# Altium PCB Allwinner_A13_BRD.PcbDoc (part 2 of 5) (continued)
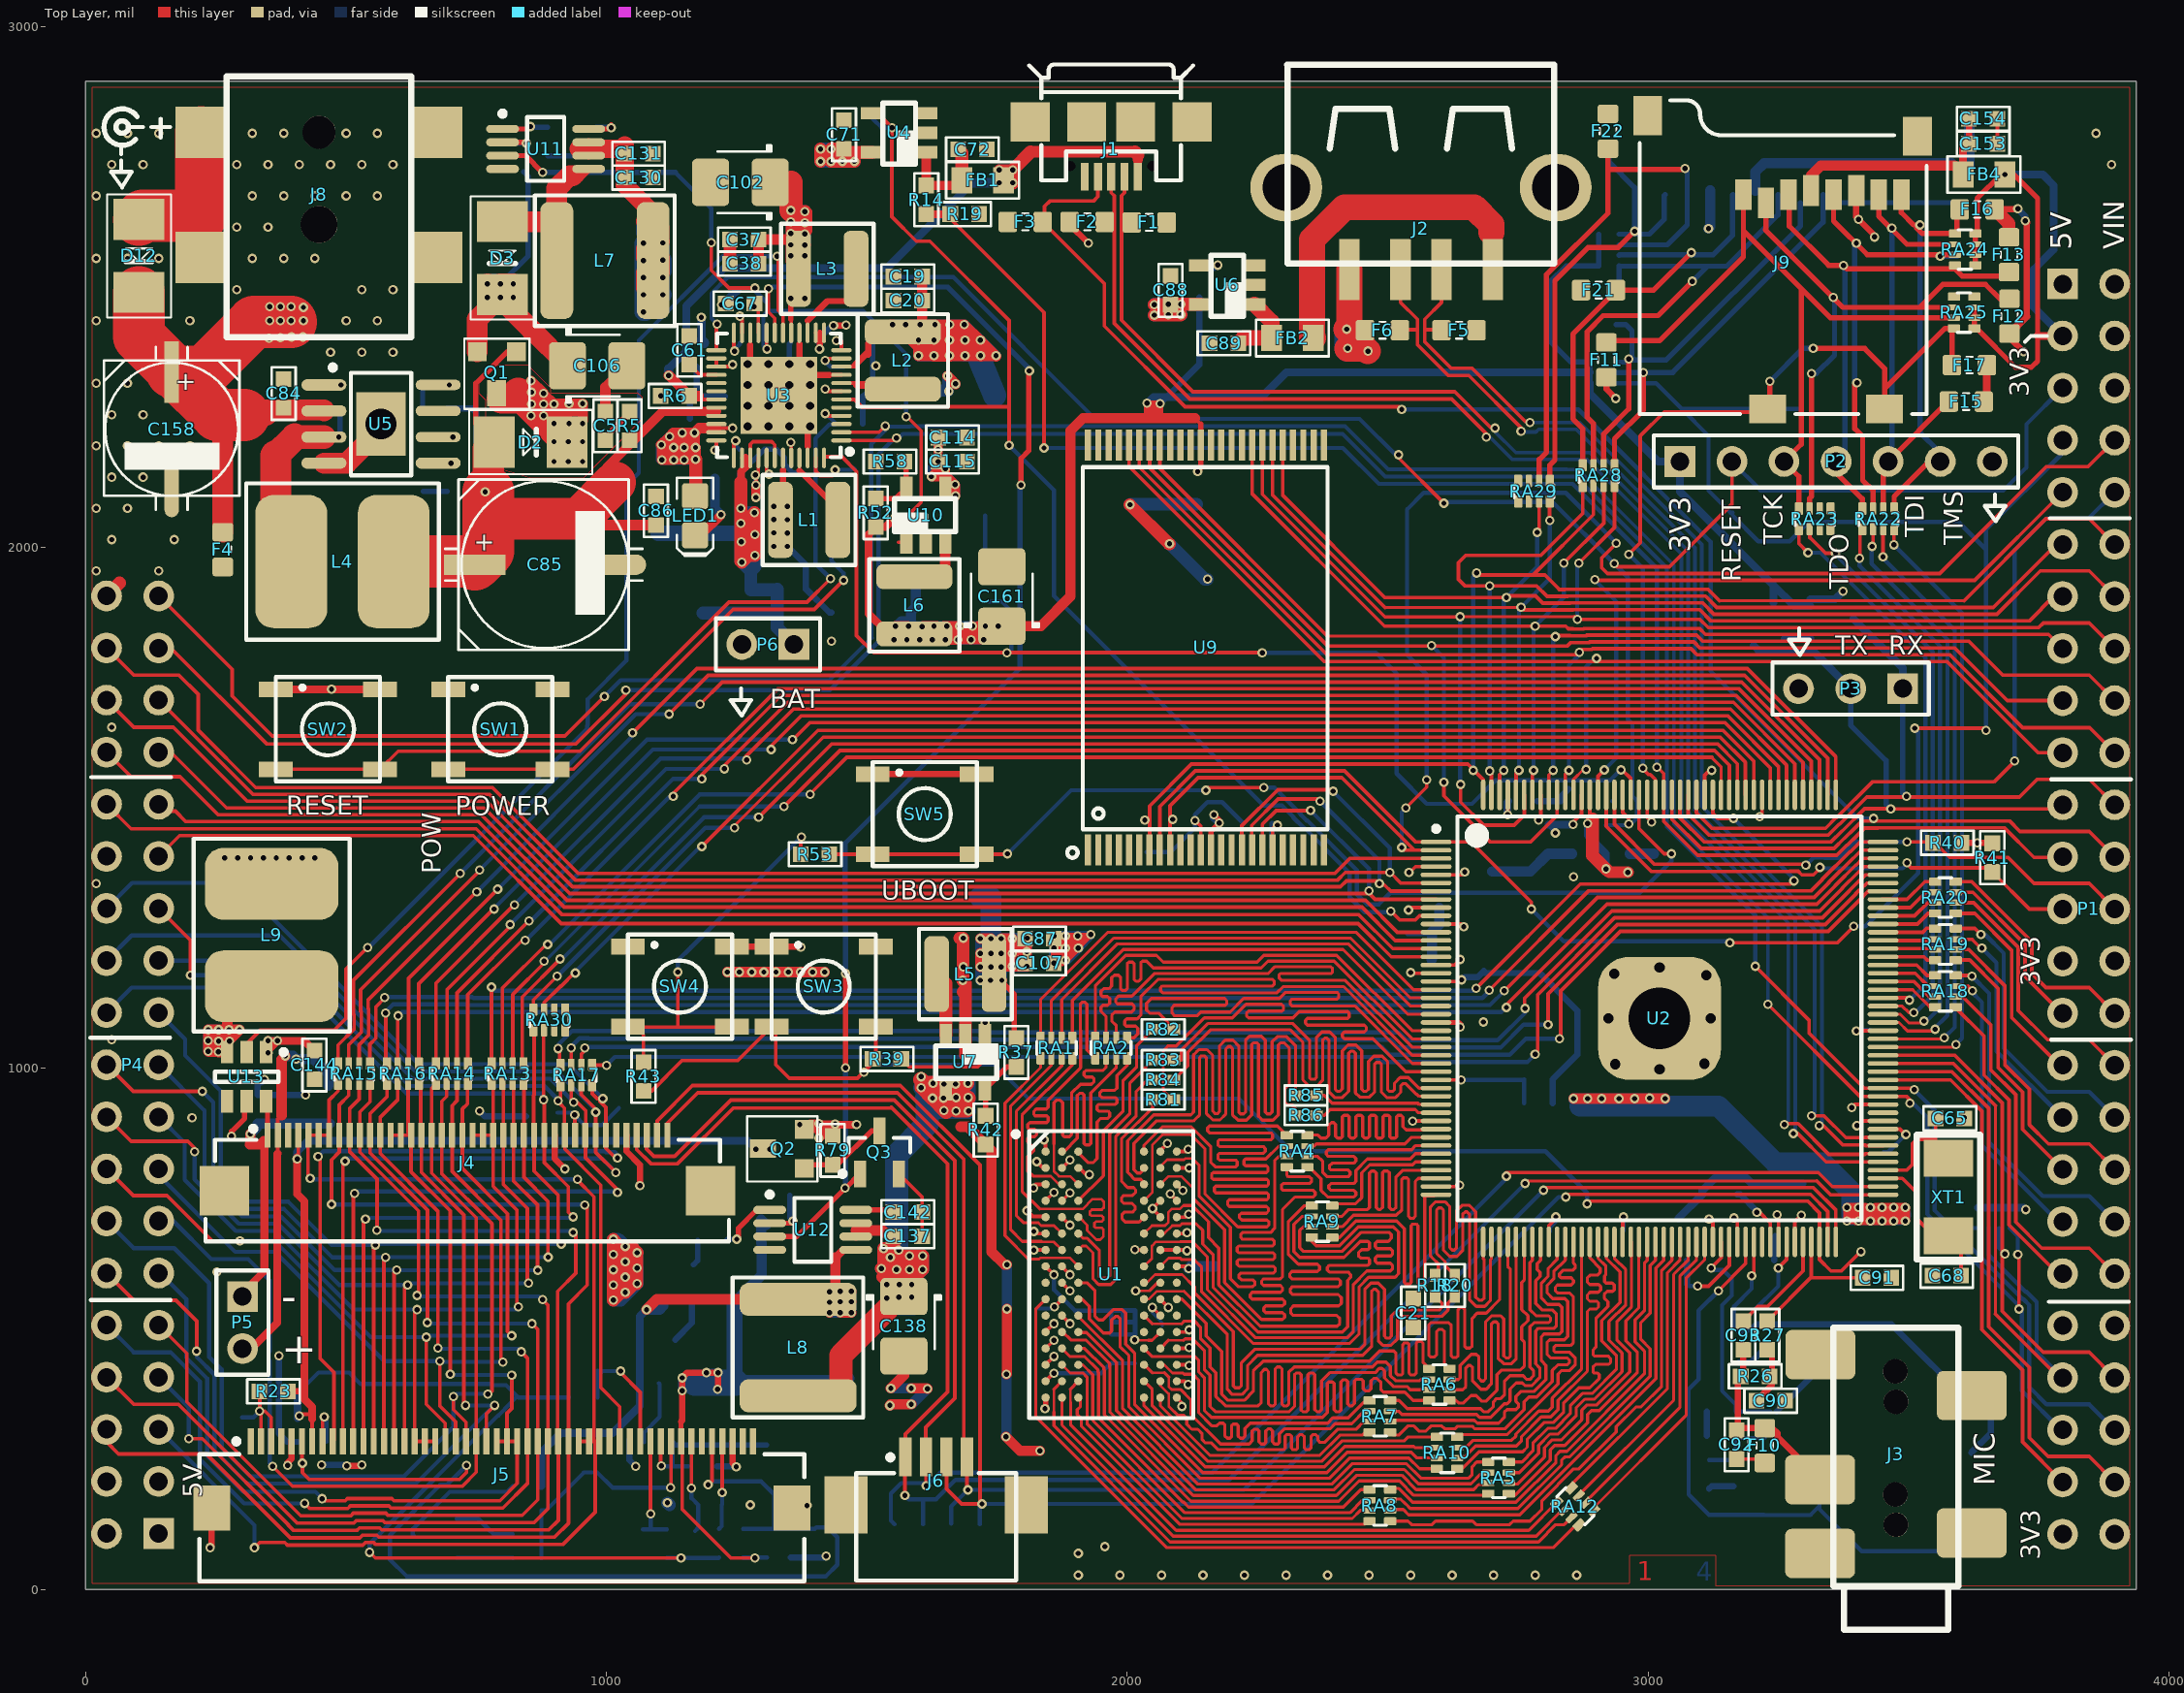
[diagram p0: Top Layer view]
## Nets (pads, with @x,y where several pads share a name; then routed paths per layer and width w, separated by ;. In a path a pad name is that pad's centre, name@x,y a point inside that pad or via, vN(x,y) a via of type N, cw(c..) or ccw(c..) an arc to the next point about the centre after c; other vN are vias at no path point) (continued)
  Top Layer w12: 2034,2248 2038,2252 ; R40.2@3602,1433 v1(3632,1433) 3660,1433 R41.2@3661,1432 ; 2038,2252 v1@2038,2273 ; 2038,2252 2039,2252 2049,2262 ; v1@2038,2273 2049,2262 ; v1@2038,2273 v1(2038,2277) 2039,2276 v1(2063,2276) ; 2049,2262 2063,2248 v1(2063,2276) ; 2049,2262 v1(2063,2276)
  Top Layer w15: v1(1371,892) Q2.S@1380,883 ; R79.2@1434,870 R79.2@1424,880 ; v1(1480,892) 1440,892 v1(1439,893) v1@1437,893 ; v1(1553,2056) 1536,2039 R52.2@1517,2039 1503,2025 1503,1873 1536.12,1839.88 L6.2@1602,1839.88 ; v1(2974,942) 2975,943 v1(3003,943) ; v1(3382,707) v1@3382,708 ; v1(3382,733) 3382,721 ; 3417,733 v1(3426.8,733) 3437,733 ; v1(3471.6,707) 3461,707 ; v1@3494,708 3462,708 3461,707 ; 3494,721 3382,721 ; 3748,2407 3749,2406 P1.3@3796,2406 ; Q2.S@1380,883 1391,894 v1(1408,894) ; Q2.S@1380,883 1408,883 ; 1408,883 1421,883 R79.2@1424,880 ; 1408,883 v1(1408,866) 1410,866 R79.2@1424,880 ; 1408,883 v1(1408,894) ; v1(1408,894) 1409,893 v1@1437,893 ; R79.2@1424,880 v1@1437,893 ; v1@3382,708 3399,708 3399,707 v1(3404.4,707) v1(3426.8,707) v1(3449.2,707) 3461,707 ; v1@3382,708 3382,721
  Top Layer w18: v1(3382,733) v1(3404.4,733) 3417,733 ; 3437,733 v1(3449.2,733) v1(3471.6,733) v1(3494,733) 3494,721 v1@3494,708
  Top Layer w20: v1(1232,1185) v1(1255.38,1185) v1(1278.75,1185) v1(1302.12,1185) v1(1325.5,1185) v1(1348.88,1185) v1(1372.25,1185) v1(1395.62,1185) v1(1419,1185) ; v1(1555,1849) L6.2@1578,1849 ; L6.2@1599,1823 v1(1601.25,1823) L6.2@1625,1823 ; L6.2@1608.04,1849 v1(1628.88,1849) L6.2@1634.04,1849 ; L6.2@1647,1823 v1(1650.5,1823) 1673,1823 v1@1674,1824 ; L6.2@1647.82,1849 v1(1653.5,1849) v1@1673.82,1849 ; v1@1674.34,1848 v1@1675.34,1849 ; v1@1700,1824 1701,1825 C161.1@1726,1825 ; v1@1700.86,1848 v1@1701.86,1849 ; C161.1@1714.12,1849 v1(1727.38,1849) C161.1@1737.49,1849 ; C161.1@1759,1848.91 1833.91,1848.91 1891,1906 1891,2224 1915,2248 2034,2248 2063,2248 2130,2248 ; v1(2857,942) v1(2884,942) v1(2911,942) v1(2944,942) v1(2974,942) v1(3033,942)
  Top Layer w23: v1(2919,1383) 2925.5,1376.5 v1(2961,1376.5)
  Top Layer w25: v1(1013,672) v1(1013,642.75) v1(1013,613.5) v1(1013,584.25) v1(1013,555) 1028,570 v1(1036,570) ; v1@1014,670 1026,658 v1(1036,658) ; v1@1033,603 1033,633 v1@1034,634 ; 2893,1479 2893,1409 v1(2919,1383) ; v1(1036,570) v1(1036,599.33) v1(1036,628.67) v1(1036,658) ; v1(1036,570) 1053,587 1058,587 1058,645 v1(1059,646) 1047,658 v1(1036,658)
  Top Layer w40: L6.2@1591,1833.88 1759,1833.88 C161.1@1759,1848.91
  power w15: v1(1371,892) v1@1408,892 ; v1(1408,866) v1@1408,892 ; v1(1408,894) v1@1408,892 ; v1(1480,892) v1@1408,892 ; v1@2856,945 2857,944 v1(2857,942) ; v1(2857,1368) 2871,1368 2886,1383 v1(2919,1383) ; v1(2911,942) v1(2944,942) ; v1(3003,943) 3032,943 v1(3033,942) ; v1@3382,728 v1(3382,733) ; 3436,708 3437,707 v1(3449.2,707) 3461,707 ; 3437,733 v1(3449.2,733) 3461,733
  power w20: v1@1621.3,1848 v1@1622.3,1849 ; v1@1621.3,1849 v1@1622.3,1849 ; 1643.17,1849 v1(1628.88,1849) v1@1622.3,1849
  power w25: v1(1013,555) v1(1013,584.25) v1(1013,613.5) v1(1013,642.75) v1(1013,672) 1022,672 v1(1036,658) 1048,646 v1(1059,646) v1(1059,616.5) v1(1059,587) 1045,587 v1@1036,578 ; v1@1033,659 1034,658 v1@1034,634 ; v1(1036,628.67) v1(1036,599.33) v1@1036,578 ; v1@1295,1185 v1(1302.12,1185) 1312,1185 ; 1362,1185 v1(1372.25,1185) v1(1395.62,1185) 1418,1185 v1@1419,1186 ; v1@1036,578 v1(1036,570) 1028,570 v1@1036,578
  power w30: v1(2648,1377) 2848,1377 v1(2857,1368)
  gnd w15: 3416,709 3417,708 3436,708 ; v1(3494,733) v1(3471.6,733) v1(3449.2,733) v1(3426.8,733) v1(3404.4,733) v1(3382,733) v1@3382,729 ; v1@3382,729 v1(3382,707) v1(3404.4,707) v1(3426.8,707) v1(3449.2,707) v1(3471.6,707) v1(3494,707) 3494,720 3391,720 v1@3382,729
  gnd w20: v1@1555,1848 1552,1845 v1(1552,1823) v1(1576.62,1823) v1(1601.25,1823) v1(1625.88,1823) v1(1650.5,1823) v1(1675.12,1823) v1(1699.75,1823) v1(1724.38,1823) v1@1726,1823 ; v1@1604,1824 1604,1836 ; v1(1606,1848) 1604,1846 1604,1836 ; 1604,1836 1713,1836 v1@1726,1823 ; 1604,1836 1566,1836 1566,1838 v1(1555,1849) v1(1579.62,1849) v1(1628.88,1849) v1(1653.5,1849) v1(1678.12,1849) v1(1702.75,1849) v1(1727.38,1849) v1(1752,1849) v1@1726,1823
  gnd w25: v1(1013,672) v1(1013,642.75) v1(1013,613.5) v1(1013,584.25) v1(1013,555) 1028,570 v1(1036,570) ; v1@1033,659 1046,659 1056.17,648.83 v1(1059,646) ; v1(1232,1185) v1(1255.38,1185) v1@1257,1185 ; 1312,1185 v1(1325.5,1185) v1@1329,1185 ; v1(1036,570) v1(1036,599.33) v1(1036,628.67) v1(1036,658) 1048,646 1053.33,646 v1(1059,646) ; v1(1036,570) 1042,570 v1(1059,587) v1(1059,616.5) v1(1059,646)
  gnd w60: 2874,928 3012,928 3028,912 3028,901
  gnd w70: v1(1036,628.67) 1053.33,646 1056.17,648.83 1181,773.67 1181,1112 1230,1161 1406,1161
  gnd w100: 3028,901 3131,798 3317,798 v1(3382,733)
  Bottom Layer w8: R50.2@2037,1415 R51.2@2083,1415 2130,1462 v1(2130,1476) 2130,1487 2154,1511 2182,1511 R61.2@2223,1470 ; v1(2884,1470) 2888,1474 C48.2@2888,1513 ; C83.1@3452,839 3461,839 v1(3495,873)
  Bottom Layer w10: RA27.1@2888.31,2315.49 RA27.2@2888.31,2336.16 RA27.3@2888.31,2355.84 2888.16,2356 2852,2356 2811,2397 2811,2509 2842.49,2540.49 2905.31,2540.49 RA26.4@2905.31,2601.51
  Bottom Layer w12: v1(2063,2276) 2076,2289 2138,2351 R25.1@2138,2480
  Bottom Layer w15: v1(1371,892) v1@1408,892 ; v1(1408,866) v1@1408,892 ; v1(1408,894) v1@1408,892 ; v1(1439,893) 1438,892 v1@1408,892 ; v1(2063,2276) 2062,2277 v1(2038,2277) 2050,2289 2076,2289 2258,2289 2305.16,2336.16 RA27.2@2888.31,2336.16 ; v1(2884,1470) 2884,1447 R13.1@2919,1412 v1(2919,1383) ; RA27.1@2888.31,2315.49 2888.31,2295.69 3019,2165 P2.1@3061,2165 3061,2107 3240.4,1927.6 ; D11.2@3240.4,1894.34 3240.4,1927.6 ; 3311.66,1887.4 3280.6,1887.4 3240.4,1927.6 ; D10.2@3311.66,1900.4 3358.95,1900.4 v1(3374.54,1916) ; v1@3399,708 3400,709 3416,709 ; v1@3399,733 v1(3404.4,733) 3417,733 ; v1@3494,708 v1(3494,733) ; RA3.1@3633.49,732.69 RA3.2@3654.16,732.69 RA3.3@3673.84,732.69 RA3.4@3694.51,732.69 3721.31,732.69 v1(3725,729) ; v1(3685,2716) 3758,2716 3779,2695 3779,2572 3741,2534 3741,2461 P1.3@3796,2406
  Bottom Layer w20: v1(1232,1185) v1(1255.38,1185) v1(1278.75,1185) v1(1302.12,1185) v1(1325.5,1185) v1(1348.88,1185) v1(1372.25,1185) v1(1395.62,1185) v1(1419,1185) ; v1(1552,1823) v1(1576.62,1823) v1(1601.25,1823) v1(1625.88,1823) v1(1650.5,1823) v1(1675.12,1823) v1(1699.75,1823) v1(1724.38,1823) v1@1726.38,1825 ; 1554,1834 1558.69,1829.31 v1@1730.69,1829.31 ; v1@1555,1847 v1@1557,1849 ; v1(1555,1849) v1@1557,1849 ; 1568.26,1849 v1(1579.62,1849) v1(1628.88,1849) v1(1653.5,1849) v1@1659.18,1849 ; C116.2@1594,1945 C117.2@1594,1897 1594,1886 1584.75,1876.75 1584.75,1858.25 1566.25,1858.25 v1@1557,1849 ; v1@1661.08,1849 v1(1678.12,1849) v1(1702.75,1849) v1@1725.48,1849 ; v1@1674,1824 v1@1700,1824 ; v1@1726,1825 v1@1726.38,1825 ; v1(1727.38,1849) v1@1750.37,1849 ; v1(1752,1849) 1750.38,1849 v1@1730.69,1829.31 ; 2869,928 2857,940 v1(2857,942) v1(2884,942) v1(2911,942) v1(2944,942) v1(2974,942) v1(3033,942) ; v1@1726.38,1825 v1@1730.69,1829.31
  Bottom Layer w25: v1(1013,613.5) v1(1013,584.25) v1(1013,555) 1027,555 v1(1059,587) v1(1059,616.5) ; v1@1013,620 v1(1013,642.75) v1(1013,672) 1022,672 v1(1036,658) v1(1036,628.67) v1(1036,599.33) ; v1@1033,603 1034,602 v1@1034,570 ; v1@1058,619 1058,645 v1(1059,646)
  Bottom Layer w40: 2869,928 3038.72,928 3038.85,927.87 3135.13,927.87 3244,819 3335,819 3391,763 3391,719 3485,719
+5V: C71.2 C88.2 D2.K P1.1 P4.3 Q1.D U4.5 U6.5 | length 6261.2
  Top Layer w7: 830.21,2296 831,2296 v1(855,2320) ; v1(855,2253) 873.21,2253 v1(879,2253) ; v1(856,2275) v1(856,2298) ; v1(879,2275) 879,2295 v1(879,2296) ; v1(899,2165) D2.K@899,2188 ; D2.K@899,2215 D2.K@922,2192 ; v1(899,2275) 927,2275 v1(928,2276) ; D2.K@905,2243 924.21,2243 D2.K@927,2243 ; D2.K@925,2165 v1(926.5,2165) v1(954,2165) ; D2.K@927,2192 933,2198 D2.K@933,2202 ; D2.K@949,2203 D2.K@949,2238
  Top Layer w20: v1(855,2320) v1(879,2296) ; v1@873.21,2253 881.94,2261.73 924.21,2261.73 ; v1@879,2295 v1(899,2275) 900,2276 v1(928,2276) v1(954,2276) 954,2261.73 ; v1@927,2275 924.21,2272.21 924.21,2261.73 ; 924.21,2261.73 924.21,2243 924.21,2213.21 949,2238 954,2243 954,2261.73 ; 924.21,2261.73 954,2261.73
  Top Layer w25: v1(1411,2741) v1(1411,2765) ; v1@1431,2764.1 v1(1431,2741) v1(1453,2741) v1(1476,2741) ; v1(1431,2765) C71.2@1456,2765 1462.4,2758.6 U4.5@1510.03,2758.6 ; v1(2052,2446) 2101.97,2446 v1(2103,2446.97) v1(2079,2447) ; v1(2052,2466) C88.2@2083,2466 2083.6,2466.6 v1@2099.4,2466.6 ; v1(2079,2467) 2099,2467 v1@2099.4,2466.6 ; v1(2103,2467) v1@2102.6,2466.6 ; U6.5@2140.03,2466.6 v1@2102.6,2466.6 ; v1@2099.4,2466.6 v1@2102.6,2466.6 ; v1@2099.4,2466.6 2101,2465 v1@2102.6,2466.6
  Top Layer w58: Q1.D@798.79,2286.21 838.32,2286.21 852.42,2272.11 v1@854.11,2272.11
  Top Layer w60: 830.21,2296 854.11,2272.11 873.21,2253 D2.K@924.21,2202 D2.K@924.21,2213.21
  power w25: P4.3@140,207 90,257 90,1983 218,2111 733.52,2111 739.5,2116.98 739.5,2118.39 762.11,2141 802,2141 v1(899,2238)
  gnd w20: v1@855,2319 v1@856,2319 ; v1(855,2320) v1@856,2319 ; 904.03,2261.73 908.12,2265.81 937.95,2265.81 937.95,2256.05 941,2253 939.19,2251.19 904.46,2251.19 889.65,2266 879,2266 ; 915,2207 908.93,2200.93 908.93,2174.93 ; v1@856,2319 v1(856,2298) v1(856,2275) 856,2254 v1(855,2253) v1(879,2253) ; v1@856,2319 870,2305 ; 870,2305 v1(879,2296) v1@879,2295 ; 870,2305 870,2284 v1(879,2275) ; v1(879,2253) 884,2253 v1(899,2238) ; v1(879,2253) 879,2266 ; 879,2266 v1(879,2275) ; v1(879,2275) v1@879,2295 ; v1@879,2295 v1(899,2275) 900,2276 v1(928,2276) v1(954,2276) v1(954,2238) ; v1(899,2165) v1(899,2203) v1(899,2238) ; v1(899,2165) v1(926.5,2165) ; v1(899,2165) 908.93,2174.93 ; v1(899,2238) v1(928,2238) v1(954,2238) ; v1(899,2238) 909.09,2227.91 ; 908.93,2174.93 926.5,2192.5 ; 909.09,2227.91 937.86,2227.91 940.88,2224.88 ; 909.09,2227.91 v1@926.5,2210.5 ; v1(926.5,2165) 943.26,2165 ; v1(926.5,2165) 926.5,2192.5 ; 926.5,2192.5 v1(926.5,2203) v1@926.5,2210.5 ; 926.5,2192.5 935.5,2201.5 ; v1@926.5,2210.5 940.88,2224.88 ; v1@926.5,2210.5 935.5,2201.5 ; 935.5,2201.5 943.26,2193.74 943.26,2165 ; 935.5,2201.5 940.88,2206.88 940.88,2224.88 ; 940.88,2224.88 v1(954,2238) ; 943.26,2165 v1(954,2165) v1(954,2203) v1(954,2238)
  gnd w25: v1(1411,2765) v1(1411,2741) v1(1431,2741) v1(1453,2741) v1(1476,2741) 1452,2765 v1(1431,2765) ; v1@2051,2466 v1@2052,2465 ; v1(2052,2466) v1@2052,2465 ; v1(2103,2446.97) v1(2079,2447) 2078,2446 v1(2052,2446) v1@2052,2465 ; v1(2103,2446.97) v1(2103,2467) v1(2079,2467) 2058,2467 2056,2465 v1@2052,2465
  Bottom Layer w8: v1(855,2253) v1@856,2254 ; v1(855,2320) v1@856,2319 ; v1(879,2253) 881,2253 v1@896,2238 ; v1(879,2275) 877,2275 v1@879,2277 ; v1(928,2276) v1(954,2276)
  Bottom Layer w15: v1(855,2253) v1(879,2253) v1(879,2275) ; v1(855,2320) 855,2299 v1(856,2298) ; v1@856,2254 v1(856,2275) ; v1@877,2275 v1(856,2275) ; v1@881,2253 884,2253 v1(899,2238) ; v1(928,2276) v1@928,2275 ; v1(856,2275) v1(856,2298) ; v1(856,2298) 877,2298 v1(879,2296) 879,2277 v1(879,2275) ; v1(879,2275) v1(899,2275) ; v1(899,2203) v1(926.5,2203) v1@928,2203 ; v1(899,2203) v1(899,2238) ; v1(899,2203) v1(899,2165) v1(926.5,2165) ; v1(899,2238) v1(899,2275) ; v1(899,2238) v1(928,2238) ; v1(899,2275) v1@928,2275 ; v1(926.5,2165) 928,2166.5 v1@928,2203 ; v1(926.5,2165) v1(954,2165) v1(954,2203) ; v1@928,2203 v1(954,2203) ; v1@928,2203 v1(928,2238) ; v1(928,2238) v1@928,2275 ; v1(928,2238) v1(954,2238) ; v1@928,2275 953,2275 v1(954,2276) v1(954,2238) ; v1(954,2203) v1(954,2238)
  Bottom Layer w25: v1(1411,2741) v1(1431,2741) ; v1(1411,2765) v1(1431,2765) ; v1(1453,2741) v1(1476,2741) ; v1(2052,2446) 2053,2447 v1(2079,2447) ; v1(2052,2466) 2053,2467 v1(2079,2467) ; v1(2079,2447) v1(2103,2446.97) 2083.97,2466 2084.97,2467 v1(2103,2467)
+5V_OTG: FB1.2 J1.1 R6.2 U3.31 | length 1510.4
  Top Layer w7: 1174,2284.13 U3.31@1210.92,2284.13 ; J1.1@2020.18,2711.69 2020.18,2744.82
  Top Layer w20: v1(1119,2330) 1120,2330 R6.2@1159,2291 1177,2291 ; v1(1754,2725) v1(1780,2725) ; 2020.18,2744.82 2020.18,2753.82
  Top Layer w23: 1814.7,2759.7 2014.3,2759.7
  Top Layer w25: v1(1780,2700) v1(1780,2725) 1814.7,2759.7 ; 2014.3,2759.7 2020.18,2753.82
  gnd w20: v1(1754,2725) v1(1754,2700) v1(1780,2700) v1(1780,2725) 1779,2724 v1@1756,2724
  Bottom Layer w15: 1119,2342.8 1153,2376.8 1153,2463.89 1225.61,2536.5 1538.5,2536.5 1702,2700
  Bottom Layer w18: v1(1119,2330) 1119,2342.8 ; 1702,2700 v1(1754,2700) v1(1780,2700)
  Bottom Layer w20: v1(1754,2700) v1(1754,2725) v1(1780,2725) v1(1780,2700)
+5VIN: C85.+ C86.2 D2.A L4.2 Q1.G R5.2 R24.2 U3.32 U3.33 | length 1319.8
  Top Layer w10: D2.A@784.45,2202 749,2237.45 749,2315 810,2376 Q1.G@827,2376
  Top Layer w18: 1000,2153 1108,2261 1210.92,2261
  Top Layer w20: 946,2055 946,2043 C86.2@1095,2043
  Top Layer w60: 773,2116 D2.A@773,2189
  Top Layer w80: 773,2055 946,2055 1016,2125
  Top Layer w100: L4.2@591.43,1973 741,1973 C85.+@747,1967 773,1993 773,2055 v1@773,2107
  Bottom Layer w20: R24.2@749,2108 766,2108 v1(767,2107)
BL_LED+: C146.2 D5.K J4.2 P5.2 | length 728.2
  Top Layer w7: 368.83,837.17 J4.2@368.83,871.62 368.83,902.83 376,910
  Top Layer w15: P5.2@304,448 367.5,511.5 367.5,835.85 368.83,837.17
  Top Layer w20: 376,910 376,1017 v1(383,1024)
  Bottom Layer w20: v1(383,1024) 398,1024 v1(404,1018) 437,1018 466,989 466,967
BL_LED-: C146.1 J4.1 P5.1 R75.2 R76.2 R77.2 U13.6 | length 606.1
  Top Layer w7: U13.6@346.4,936.76 U13.6@349.14,934.02
  Top Layer w10: J4.1@349.14,871.62 U13.6@349.14,934.02
  Top Layer w15: P5.1@280,548 343,611 343,847 336,854
  Top Layer w20: v1(316,874) 316,855 315,854 336,854 342,860
  Bottom Layer w20: v1(316,874) R77.2@328,886 ; R77.2@330,894 R76.2@376,894 R75.2@422,894 C146.1@468,894
BOOT: C82.2 U5.1 | length 32.6
  Top Layer w10: U5.1@457.35,2312 v1(490,2312)
CABC: J5.2 J5.3 R23.2 R30.1 | length 210.8
  Top Layer w7: R23.2@333,380 334,379 v1(334,342) v1@342,342 ; J5.2@336.4,283.98 336.4,336.4 v1@342,342 ; J5.3@356.09,283.98 356.09,329.91 344,342 v1@342,342
  Bottom Layer w8: R30.1@300,330 322,330 v1(334,342)
CH_SW: C145.2 C150.2 D4.A L8.2 U12.5 | length 1638.6
  Top Layer w15: 1440,637 1454.61,651.61 U12.5@1478.68,651.61
  Top Layer w20: v1(1077,537) 1096.52,556.52 L8.2@1368,556.52 1413.52,556.52 v1(1428,571) ; v1(1428,531) v1(1428,551) ; L8.2@1439.52,563 1439.52,636.52 1440,637 ; v1(1449,531) v1(1470,531) ; v1(1449,552) v1(1470,552) ; v1(1449,572) v1(1470,572)
  gnd w20: v1(1428,571) v1(1428,551) ; 1437,545 1442,540 1456,540 1456,564 1460,568 v1@1456,572 ; v1(1428,551) v1(1428,531) v1(1449,531) v1(1470,531) v1(1470,552) v1(1470,572) v1@1456,572 ; v1(1428,551) 1427,552 1427,572 v1(1449,572) ; v1(1428,551) 1429,552 v1(1449,552) v1(1449,572) ; v1(1449,572) v1@1456,572
  Bottom Layer w15: C150.2@875,198 875,263 912,300 1012,300 1064,352 1064,524 v1(1077,537)
  Bottom Layer w20: v1(1077,537) 1102,537 C145.2@1109,544 ; v1(1428,551) v1(1428,531) v1(1449,531) ; v1(1428,551) 1448,551 v1(1449,552) ; v1(1428,551) 1429,552 v1(1449,552) ; v1(1428,551) v1(1428,571) 1448,571 v1(1449,572) ; v1(1449,531) v1(1449,552) ; v1(1449,531) v1(1470,531) v1(1470,552) ; v1(1449,552) v1(1470,552) ; v1(1449,552) v1(1449,572) ; v1(1449,572) v1(1470,572) v1(1470,552)
COMP: C94.2 R28.2 U5.6 | length 83.4
  Top Layer w7: U5.6@676.65,2212 v1(705,2212)
  Bottom Layer w10: R28.2@650,2212 C94.2@694,2212 v1(705,2212)
DBA0: RA5.6 U2.63 | length 615.5
  Top Layer w6: RA5.6@2732.69,201.16 2733.53,202 2749,202 2801,254 2801,271.89 2816.11,287 2834,287 2872.72,325.72 2872.72,343.61 2883.11,354 2901.77,354 2965,417.23 2965,454.11 2940,479.11 2940,513.56 2968,541.56 2968,666.87 U2.63@2966.88,666.87
DBA1: RA6.6 U2.49 | length 624.7
  Top Layer w6: RA6.6@2618.69,383.16 2644.16,383.16 2650,389 2650,425 2655,430 2659,430 2663,426 2663,400 2679,384 2689,384 2699,394 2699,508.89 2703.56,513.44 2708.56,513.44 2712,510 2712,443.44 2722.44,433 2738,433 2746.41,441.41 U2.49@2746.41,666.87
DBA2: RA5.7 U2.61 | length 601.6
  Top Layer w6: RA5.7@2732.69,220.84 RA5.7@2735.69,223.84 ; RA5.7@2732.69,223.84 RA5.7@2735.69,223.84 ; U2.61@2935.39,666.87 2935.39,635.28 2957,613.67 2957,546.11 2925,514.11 2925,478.56 2950,453.56 2950,417.78 2897.22,365 2878.56,365 2861.72,348.17 2861.72,332.72 2827,298 2811.56,298 2790,276.44 2790,261 2752.84,223.84 RA5.7@2735.69,223.84
DCAS: RA10.5 U2.59 | length 742.5
  Top Layer w6: RA10.5@2633.69,231.49 2642.49,231.49 2675,264 2759.22,264 2768,272.78 2768,288 2800.06,320.06 2817.94,320.06 2838,340.11 2838,357.89 2867.11,387 2888.11,387 2906,404.89 2906,412 2903,415 2897,415 2894.39,417.61 2894.39,427 2899.39,432 2924.55,432 2928,435.45 2928,443 2923,448 2897,448 2894.39,450.61 2894.39,459 2900,464.61 2900,520.23 2923,543.23 2923,552 2915.78,559.22 2915.78,566.22 2921.56,572 2932,572 2935,575 2935,584 2931,588 2919,588 2916.47,590.53 2916.47,601.53 2919,604.05 2919,620.56 2903.89,635.67 U2.59@2903.89,666.87
DCKE: RA6.8 U2.47 | length 748.2
  Top Layer w6: 2609,433.2 2609,495 2605,499 2598,499 2594,495 2594,450 2590,446 2582,446 2579,449 2579,508 2583,512 2617,512 2622,507 2622,448 2625,445 2632,445 2635,448 2635,537 2639,541 2644,541 2648,537 2648,466 2651,463 2658,463 2662,467 2662,520 2672,530 2689,530 2714.91,555.91 U2.47@2714.91,666.87
DDA0: RA5.5 U2.64 | length 634.8
  Top Layer w6: RA5.5@2732.69,180.49 2744.26,180.49 2812,248.23 2812,267.33 2820.67,276 2839.77,276 2883.72,319.95 2883.72,335.72 2891,343 2906.33,343 2979,415.67 2979,455.67 2957.39,477.28 2957.39,515.39 2982,540 2982,635 2982.63,635.63 U2.64@2982.63,666.87
DDA1: RA7.7 U2.52 | length 676
  Top Layer w6: RA7.7@2504.69,341.84 2521.16,341.84 2527.39,335.61 2671,335.61 2676.61,330 2697.56,330 2723.56,356 2729,356 2735,362 2735,384.44 2746.56,396 2758.44,396 2763.44,391 2776.89,391 2792,406.11 2792,425 2784.16,432.84 2784.16,496 2789.16,501 2820,501 2823.65,504.65 2823.65,529.35 2817,536 2797,536 2784.16,548.84 2784.16,592.27 2792.44,600.56 2792.44,608.56 2787,614 2787,625.29 2793.65,631.94 U2.52@2793.65,666.87
DDA2: RA8.7 U2.66 | length 894.2
  Top Layer w6: RA8.7@2504.69,172.84 2504.84,173 2525,173 2533.84,164.16 2534.4,164.16 2543.56,155 2749.89,155 2834,239.11 2834,248 2840,254 2848.89,254 3004,409.11 3004,461.78 2986,479.78 2986,512 3004,530 3004,621.44 3014.13,631.57 U2.66@3014.13,666.87
DDA3: RA8.8 U2.65 | length 879.6
  Top Layer w6: RA8.8@2504.69,193.51 2521.49,193.51 2548,167 2746.33,167 2823,243.67 2823,257 2831,265 2844.33,265 2993,413.67 2993,457.23 2975,475.23 2975,517 2993,535 2993,626 2998.38,631.38 U2.65@2998.38,666.87
DDA4: RA7.8 U2.51 | length 664.1
  Top Layer w6: RA7.8@2504.69,362.51 2521.49,362.51 2537.39,346.61 2678.39,346.61 2684,341 2693,341 2703,351 2703,360 2709,366 2717,366 2724,373 2724,399 2735,410 2760,410 2767,403 2773.33,403 2780,409.67 2780,420 2773.16,426.84 2773.16,504 2781.16,512 2809,512 2812.65,515.65 2812.65,521.35 2809,525 2785,525 2773.16,536.84 2773.16,627 2777.91,631.75 U2.51@2777.91,666.87
DDA5: RA8.6 U2.67 | length 891.3
  Top Layer w6: RA8.6@2504.69,153.16 2529.84,153.16 2540,143 2753.44,143 3015,404.56 3015,616.89 3029.87,631.76 U2.67@3029.87,666.87
DDA6: RA7.6 U2.54 | length 705.7
  Top Layer w6: RA7.6@2504.69,322.16 2507.14,324.61 2666.44,324.61 2672.06,319 2713,319 2724,330 2724,340 2729,345 2746.44,345 2751,349.56 2751,356 2746,361 2746,370 2756,380 2781.44,380 2804,402.56 2804,430 2795.16,438.84 2795.16,485 2800.16,490 2830,490 2834.65,494.65 2834.65,541.35 2829,547 2807,547 2795.16,558.84 2795.16,587.71 2808,600.56 2808,616 2825.15,633.15 U2.54@2825.15,666.87
DDA7: RA12.6 U2.71 | length 588.7
  Top Layer w6: RA12.6@2880.88,165.96 2880.88,168.88 3061,349 3061,600.66 3092.87,632.53 U2.71@3092.87,666.87
DDA8: RA7.5 U2.55 | length 787.7
  Top Layer w6: RA7.5@2504.69,301.49 2505.51,301.49 2511,296 2521,296 2538.61,313.61 2550.39,313.61 2560,304 2560,303.51 2572.9,303.51 2583,313.61 2604,313.61 2609.23,308.39 2629.77,308.39 2634.39,313 2662.5,313 2667.5,308 2725,308 2762,345 2762,360 2771,369 2786,369 2816,399 2816,420 2827,431 2845,431 2849,435 2849,440 2845,444 2813,444 2806.16,450.84 2806.16,474.16 2811,479 2839,479 2845.65,485.65 2845.65,552.35 2840,558 2817,558 2806.16,568.84 2806.16,583.16 2819,596 2819,610 2840.9,631.9 U2.55@2840.9,666.87
DDA9: RA12.8 U2.69 | length 559
  Top Layer w6: RA12.8@2852.34,194.49 2852.34,200.34 3037,385 3037,607.77 3061.37,632.14 U2.69@3061.37,666.87
DDA10: RA6.7 U2.48 | length 609.5
  Top Layer w6: RA6.7@2618.69,402.84 2635.84,402.84 2639,406 2639,429.56 2660.44,451 2670,451 2675,446 2675,405 2680,400 2684,400 2688,404 2688,513.44 2699.56,525 2717,525 2723,519 2723,448 2727,444 2732,444 2735.41,447.41 2735.41,615 2730.66,619.75 U2.48@2730.66,666.87
DDA11: RA10.8 U2.56 | length 700.2
  Top Layer w6: RA10.8@2633.69,294 2636.69,297 2729.56,297 2827,394.44 2827,413 2834,420 2849.56,420 2860,430.44 2860,444.56 2849.56,455 2822,455 2819,458 2819,464.42 2822.58,468 2851,468 2856.65,473.65 2856.65,561.35 2849,569 2826,569 2822,573 2822,580 2826,584 2852,584 2857,589 2857,593 2852,598 2833,598 2830,601 2830,605.44 2837.28,612.72 2856.17,612.72 2860,616.56 2860,623 2856.65,626.35 U2.56@2856.65,666.87
DDA12: RA6.5 U2.50 | length 460.9
  Top Layer w6: RA6.5@2623.56,357.61 RA6.5@2618.69,362.49 2619.2,363 2631,363 2636.39,357.61 2645.61,357.61 2660,372 2670,372 2681,361 2688.44,361 2710,382.56 2710,412 2719,421 2755,421 2762.16,428.16 2762.16,475 2757.41,479.75 2757.41,503.81 2769.3,515.7 2769.3,525.14 2757.41,537.03 2757.41,589 2762.16,593.75 U2.50@2762.16,666.87
DDA13: RA8.5 U2.68 | length 941.4
  Top Layer w6: RA8.5@2504.69,132.49 2506.17,131 2539,131 2546,124 2585,124 2592,131 2663,131 2670,124 2734,124 2741,131 2773.29,131 2796,153.71 2796,170 2857,231 2867.44,231 2938.72,302.28 2938.72,312.16 2976.56,350 2986.44,350 3026,389.56 3026,612.33 3045.62,631.95 U2.68@3045.62,666.87
DDA14: RA10.7 U2.57 | length 557.6
  Top Layer w6: RA10.7@2633.69,271.84 2635.84,274 2652,274 2664,286 2738,286 2746,294 2746,297.89 2790.17,342.06 2808.83,342.06 2816,349.23 2816,367 2872.39,423.39 U2.57@2872.39,666.87
DDCK: R18.1 U2.45 | length 690.8
  Top Layer w6: R18.1@2591,603 2597,609 2597,625.03 2586.51,635.51 2582,640.03 2582,733.97 2586.51,738.49 2592.03,744 2609.97,744 2619,734.97 2619,656 2624,651 2628,651 2632,655 2632,726 2643,737 2656.97,737 2660.49,733.49 2669,724.97 2669,561 2675,555 2681.29,555 2685.29,559 2685.29,632.46 2683.42,634.34 U2.45@2683.42,666.87
DDCK_N: R20.1 U2.46 | length 694.3
  Top Layer w6: R20.1@2629,603 2610.51,621.49 2610.51,628.49 2607,632 2594,645 2594,728 2598,732 2603,732 2607,728 2607,651.03 2619.03,639 2632.97,639 2644,650.03 2644,720 2649,725 2652,725 2657,720 2657,556.03 2670.03,543 2686.26,543 2697.29,554.03 2697.29,632.46 2699.17,634.34 U2.46@2699.17,666.87
DDD0: RA1.5 U2.22 | length 862
  Top Layer w6: RA1.5@1894.51,1058.69 1894.51,1130.51 1992,1228 2414.34,1228 2538.46,1103.87 U2.22@2592.87,1103.87
DDD1: RA9.8 U2.40 | length 261.8
  Top Layer w6: RA9.8@2393.69,736.51 2397.17,740 2438,740 2450,752 2450,799.56 2465.44,815 2548,815 2553.41,820.41 U2.40@2592.87,820.41
DDD2: RA1.6 U2.21 | length 886
  Top Layer w6: RA1.6@1873.84,1058.69 1873.84,1131.84 1981,1239 2424.44,1239 2543.82,1119.62 U2.21@2592.87,1119.62
DDD3: RA9.7 U2.41 | length 548.7
  Top Layer w6: RA9.7@2393.69,715.84 2411.84,715.84 2425,729 2461,729 2465,733 2465,799 2469,803 2474,803 2478,799 2478,733 2482,729 2486,729 2490,733 2490,800 2493,803 2500,803 2503,800 2503,733 2507,729 2512,729 2516,733 2516,791.56 2528.44,804 2592.2,804 U2.41@2592.87,804.66
DDD4: RA1.8 U2.19 | length 931.9
  Top Layer w6: RA1.8@1833.49,1058.69 1833.49,1132.49 1962,1261 2440,1261 2549.88,1151.12 U2.19@2592.87,1151.12
DDD5: RA9.5 U2.44 | length 717.3
  Top Layer w6: RA9.5@2393.69,675.49 2407.49,675.49 2439,707 2517,707 2532,692 2532,589 2535,586 2542,586 2545,589 2545,698 2548,701 2555,701 2558,698 2558,588 2562,584 2568,584 2571,587 2571,755 2590.45,755 U2.44@2592.87,757.42
DDD6: RA1.7 U2.20 | length 907.3
  Top Layer w6: RA1.7@1854.16,1058.69 1854.16,1130.16 1974,1250 2429,1250 2543.63,1135.37 U2.20@2592.87,1135.37
DDD7: RA9.6 U2.42 | length 417.4
  Top Layer w6: RA9.6@2393.69,696.16 2412.6,696.16 2434.44,718 2516.56,718 2527,728.44 2527,787 2530,790 2537,790 2540,787 2540,716 2544,712 2549,712 2553,716 2553,783 2558.91,788.91 U2.42@2592.87,788.91
DDD8: RA4.7 U2.37 | length 254.1
  Top Layer w6: RA4.7@2345.69,850.84 2358.84,850.84 2363,855 2533,855 2545.65,867.65 U2.37@2592.87,867.65
DDD9: RA2.7 U2.25 | length 998.9
  Top Layer w6: RA2.7@1959.16,1058.69 1959.16,1099.84 1949.49,1109.51 1949.49,1117.49 1953,1121 1962,1121 1966,1125 1966,1134 1962,1138 1952.49,1138 1949.49,1141 1949.49,1148 1954.49,1153 1965,1153 1970,1158 1970,1174 1975,1179 1983,1179 1987,1175 1987,1153 1990.28,1149.72 1996.72,1149.72 2000,1153 2000,1201 2003,1204 2010,1204 2013,1201 2013,1171 2016.72,1167.28 2021.72,1167.28 2026,1171.56 2026,1203 2029,1206 2037,1206 2050,1193 2257,1193 2270,1206 2397.44,1206 2546.81,1056.63 U2.25@2592.87,1056.63